# KiCad board AppleII.kicad_pcb (continued)
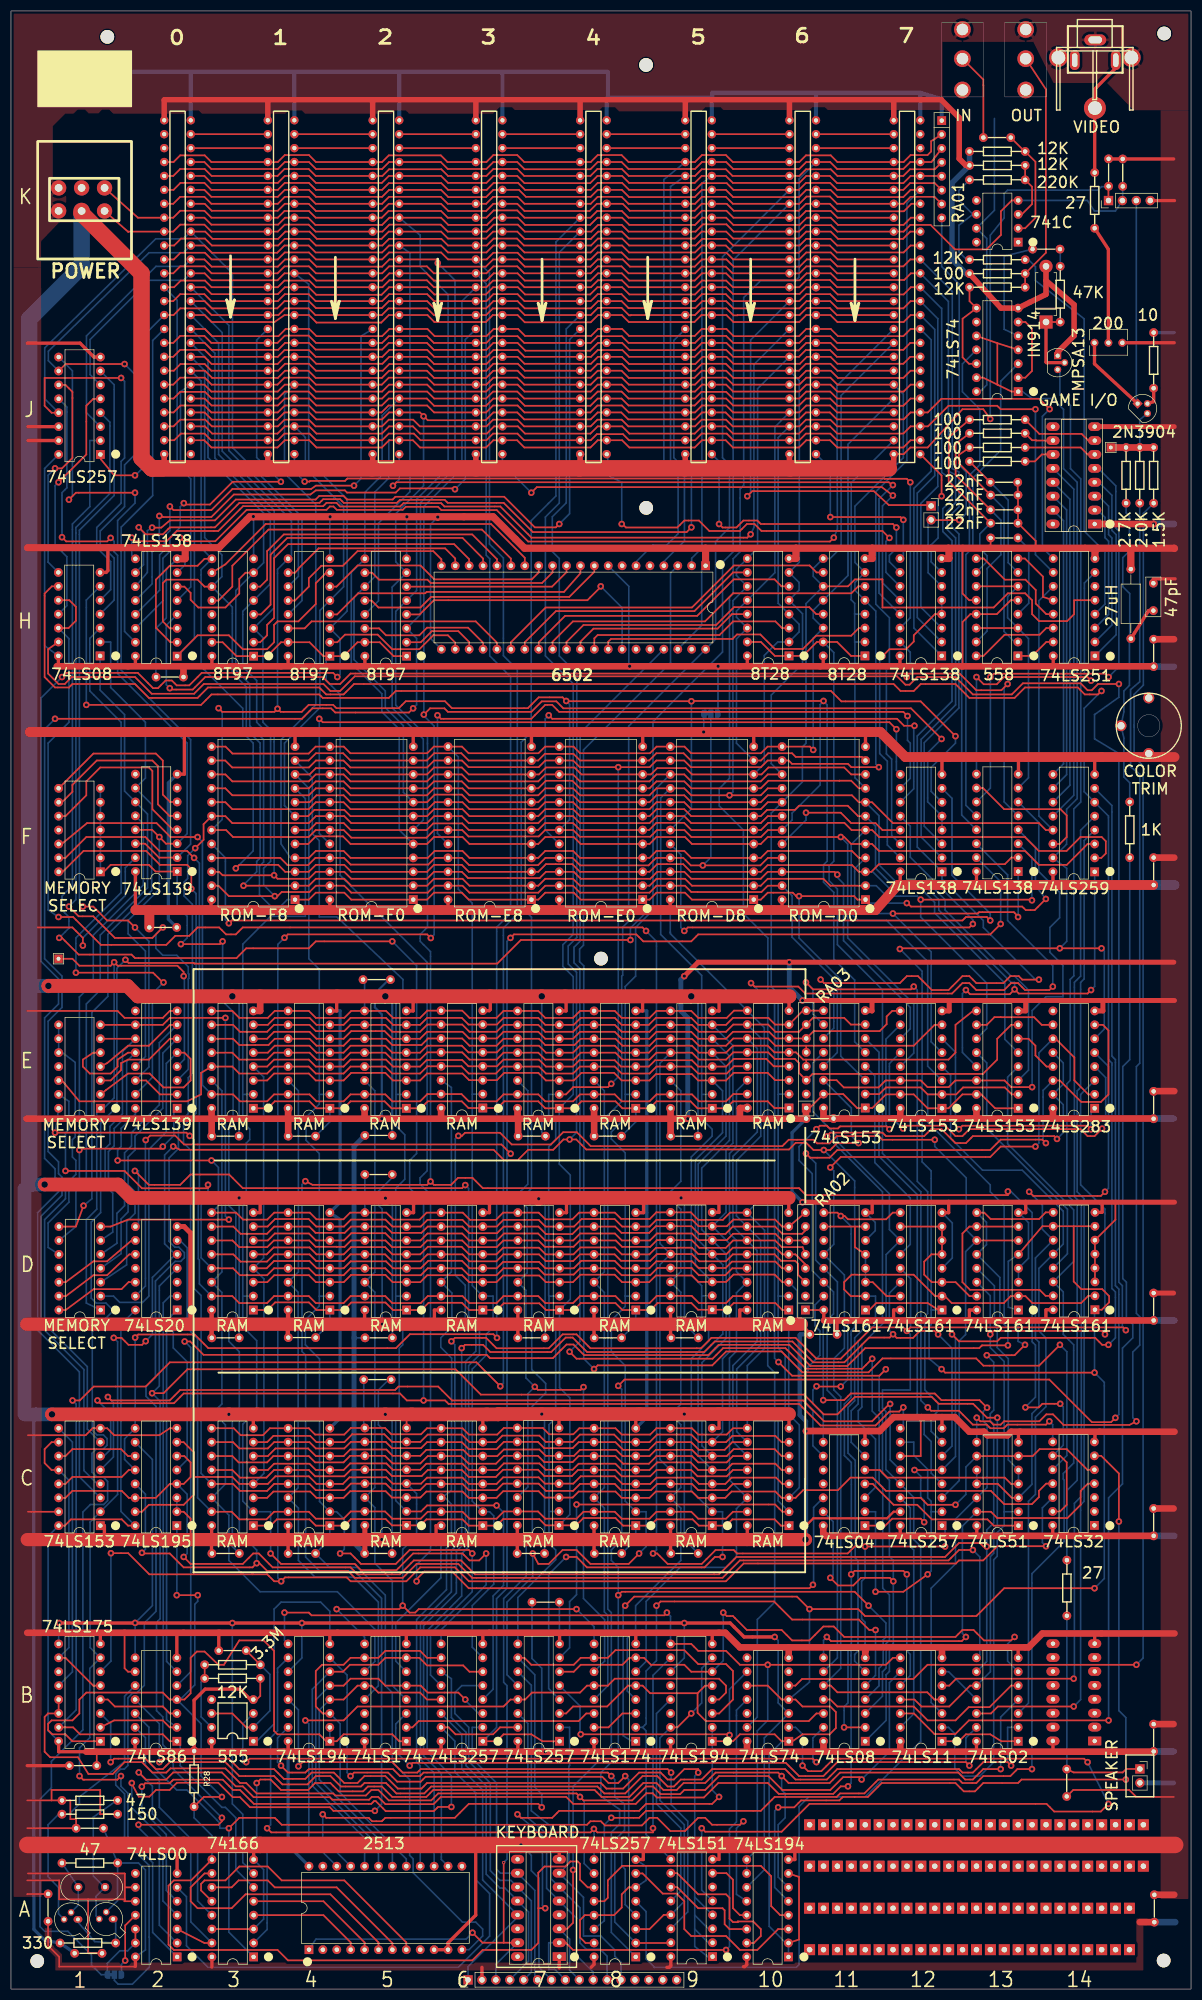
[diagram p0: board, top side]
## Routing (per net, layer and track width the routed paths; a pad name or vN(x,y) marks a point on that pad's centre or on a via; arc(x,y) is an arc through that point) (continued)
  Top w0.3: SLOT3.23 SLOT4.28
/CPU Tranceiver Driver and Data MUX/CPU_A0: length 46.2
  Top w0.3: H5.12 65.86,253.52 67.13,252.25 74.8,252.25 76.73,254.18 101.98,254.18 106.55,258.75 H7.9
/CPU Tranceiver Driver and Data MUX/CPU_A1: length 50.4
  Top w0.3: H7.10 104.01,258.5 101.02,255.09 75.92,255.09 75.67,254.84 63.42,254.84 59.56,250.98 H4.4
/CPU Tranceiver Driver and Data MUX/CPU_A2: length 31.5
  Top w0.3: H7.11 101.47,258.7 98.83,256.06 H5.6
/CPU Tranceiver Driver and Data MUX/CPU_A3: length 37.1
  Top w0.3: H7.12 98.93,258.65 97,256.72 76.68,256.72 76.07,257.33 67.23,257.33 65.96,258.6 H5.10
/CPU Tranceiver Driver and Data MUX/CPU_A4: length 42.5
  Top w0.3: H4.6 59.46,256.06 63.32,259.92 74.8,259.92 77.34,257.38 95.12,257.38 96.39,258.65 H7.13
/CPU Tranceiver Driver and Data MUX/CPU_A5: length 64.6
  Top w0.3: H3.10 39.17,260.12 46.53,267.49 87.68,267.49 93.85,261.32 H7.14
/CPU Tranceiver Driver and Data MUX/CPU_A6: length 65.7
  Top w0.3: H7.15 91.31,261.19 86.03,266.47 47.04,266.47 40.44,259.87 40.44,256.06 37.9,253.52 H3.12
/CPU Tranceiver Driver and Data MUX/CPU_A7: length 54.5
  Top w0.3: H3.6 45.52,256.06 46.79,257.33 46.79,262.53 49.83,265.58 84.25,265.58 88.77,261.06 H7.16
/CPU Tranceiver Driver and Data MUX/CPU_A8: length 55.9
  Top w0.3: H3.4 45.64,250.98 47.42,252.76 47.42,261.9 50.47,264.95 82.47,264.95 86.23,261.19 H7.17
/CPU Tranceiver Driver and Data MUX/CPU_A9: length 56.6
  Top w0.3: H3.2 45.52,245.9 46.79,247.17 46.79,249.07 48.06,250.34 48.06,261.26 50.6,263.8 80.95,263.8 83.69,261.06 H7.18
/CPU Tranceiver Driver and Data MUX/CPU_A10: length 34.5
  Top w0.3: H7.19 81.15,261.19 79.3,263.04 56.18,263.04 52.5,259.36 52.5,259.23 51.87,258.6 H4.10
/CPU Tranceiver Driver and Data MUX/CPU_A11: length 34.4
  Top w0.3: H4.12 51.87,253.52 54.41,256.06 54.41,257.58 56.69,259.87 60.63,259.87 63.3,262.53 77.14,262.53 78.61,261.06 H7.20
/CPU Tranceiver Driver and Data MUX/CPU_A12: length 27.4
  Top w0.3: H4.2 59.61,245.9 61,247.29 65.83,247.29 65.84,247.29 66.98,247.29 69.65,244.63 74.6,244.63 77.14,247.17 79.81,247.17 81.15,245.82 H7.22
/CPU Tranceiver Driver and Data MUX/CPU_A13: length 14.4
  Top w0.3: H5.2 74.85,245.9 76.89,247.93 81.71,247.93 83.69,245.95 H7.23
/CPU Tranceiver Driver and Data MUX/CPU_A14: length 25
  Top w0.3: H7.24 86.23,245.82 83.49,248.56 76,248.56 74.6,247.17 68.5,247.17 67.23,248.44 H5.14
/CPU Tranceiver Driver and Data MUX/CPU_A15: length 41.5
  Top w0.3: H4.14 53.64,248.44 54.91,249.71 84.89,249.71 88.77,245.82 H7.25
/CPU Tranceiver Driver and Data MUX/CPU_D0: length 51.5
  Top w0.3: H7.33 109.09,246 109.6,246.51 131.8,246.51 132.61,247.32 136.88,247.32 139.52,244.68 144.65,244.68 147.07,247.1 153.47,247.1 154.86,248.49 H11.3
/CPU Tranceiver Driver and Data MUX/CPU_D1: length 39.3
  Top w0.3: H7.32 106.55,246.61 107.16,247.22 129.41,247.22 131.9,249.71 139.62,249.71 140.84,248.49 H10.3
/CPU Tranceiver Driver and Data MUX/CPU_D2: length 33.9
  Top w0.3: H7.31 104.01,246 106.4,248.39 129.06,248.39 131.7,251.03 H10.13
/CPU Tranceiver Driver and Data MUX/CPU_D3: length 51.4
  Top w0.3: H11.13 147.09,251.03 145.82,252.3 132.05,252.3 128.8,249.05 104.57,249.05 101.47,245.95 H7.30
/CPU Tranceiver Driver and Data MUX/CPU_D4: length 62.6
  Top w0.3: H7.29 98.93,246 102.64,249.71 126.77,249.71 131.9,254.84 153.49,254.84 154.76,256.11 H11.6
/CPU Tranceiver Driver and Data MUX/CPU_D5: length 52.3
  Top w0.3: H10.6 140.74,256.11 139.47,257.38 132,257.38 125.35,250.72 101.22,250.72 96.39,245.9 H7.28
/CPU Tranceiver Driver and Data MUX/CPU_D6: length 47.2
  Top w0.3: H10.10 131.9,258.65 124.84,251.59 99.54,251.59 93.85,245.9 H7.27
/CPU Tranceiver Driver and Data MUX/CPU_D7: length 64.7
  Top w0.3: H7.26 91.31,245.9 97.66,252.25 124.38,252.25 132.05,259.92 145.87,259.92 147.14,258.65 H11.10
/CPU Tranceiver Driver and Data MUX/CPU_RW: length 50.7
  Top w0.3: v1(107.72,256.11) 107.72,256.01 105.28,253.57 77.24,253.57 74.65,250.98 H5.4
  Bottom w0.3: v1(107.72,256.11) 111.63,252.2 H7.34
/CPU Tranceiver Driver and Data MUX/LD0: length 68.2
  Top w0.3: B6.10 76,60.48 74.73,61.75 68.38,61.75 67.11,60.48 B5.10 62.03,60.48 60.76,59.21 56.82,59.21 55.68,58.06 55.68,51.59 56.95,50.32 B4.3
  Bottom w0.3: A5.17 72.21,23.75 60.12,35.84 60.12,48.44 B4.3
/CPU Tranceiver Driver and Data MUX/LD1: length 59.2
  Top w0.3: B4.4 60.76,52.86 63.3,55.4 B5.12 65.84,55.4 67.11,54.13 74.73,54.13 76,52.86 B6.13
  Bottom w0.3: A5.18 69.67,24.89 56.31,38.25 56.31,50.93 B4.4
/CPU Tranceiver Driver and Data MUX/LD2: length 69.9
  Top w0.3: B4.5 60.76,55.4 62.03,56.67 67.11,56.67 68.38,55.4 B5.5 74.85,55.4 76.12,54.13 81.71,54.13 v1(82.98,52.86)
  Bottom w0.3: A5.19 67.13,26.16 55.68,37.62 55.68,52.83 B4.5 ; B6.3 85.39,50.32 82.98,52.73 v1(82.98,52.86)
/CPU Tranceiver Driver and Data MUX/LD3: length 70.8
  Top w0.3: B6.6 83.74,57.94 82.59,59.09 75.99,59.09 74.6,60.48 B5.7 68.38,60.48 67.11,59.21 61.9,59.21 60.63,57.94 B4.6
  Bottom w0.3: B4.6 55.04,54.74 55.04,37.11 64.59,27.56 A5.20
/CPU Tranceiver Driver and Data MUX/LD4: length 135.4
  Top w0.3: v1(56.95,31.9) 57.58,31.27 65.33,31.27 65.96,30.63 67.74,30.63 68.38,31.27 81.08,31.27 83.62,33.81 96.32,33.81 v1(96.95,33.17) ; B9.3 129.34,50.32 131.88,52.86 131.88,58.06 130.61,59.33 129.34,59.33 129.33,59.33 125.53,59.33 122.99,61.87 114.74,61.87 114.73,61.87 114.72,61.87 110.41,61.87 109.02,60.48 B8.10 104.06,60.48 102.79,59.21 95.05,59.21 93.78,60.48 B7.10
  Bottom w0.3: v1(56.95,31.9) 56.95,27.53 A5.21 ; B7.10 95.68,57.38 95.68,36.86 96.95,35.59 v1(96.95,33.17)
/CPU Tranceiver Driver and Data MUX/LD5: length 113.8
  Top w0.3: v1(53.77,49.05) 60.76,49.05 63.3,51.59 89.97,51.59 91.24,52.86 B7.13 93.9,52.86 95.17,54.13 103.94,54.13 105.21,55.4 B8.12 109.02,55.4 110.29,56.67 129.34,56.67 130.61,55.4 130.61,54.13 129.34,52.86 B9.4
  Bottom w0.3: v1(53.77,49.05) 54.41,48.41 54.41,27.53 A5.22
/CPU Tranceiver Driver and Data MUX/LD6: length 58.9
  Top w0.3: 125.41,54.01 116.76,54.01 115.37,55.4 B8.5 112.7,55.4 108.89,51.59 102.67,51.59 101.4,50.32 B7.3 ; 125.41,54.01 126.8,55.4 B9.5 ; 125.41,54.01 125.41,50.44 126.92,48.93 145.73,48.93 147.12,50.32 B11.12
/CPU Tranceiver Driver and Data MUX/LD7: length 108
  Top w0.3: v1(130.1,68.73) 130.73,68.1 131.88,68.1 134.42,65.56 140.77,65.56 142.67,63.65 145.85,63.65 148.39,66.19 150.29,66.19 152.2,64.29 172.52,64.29 173.79,65.56 175.82,65.56 177.72,63.65 182.68,63.65 v1(183.31,64.29) ; B7.6 102.79,57.94 104.06,59.21 111.68,59.21 112.95,60.48 B8.7 115.62,60.48 116.89,59.21 122.99,59.21 124.26,57.94 B9.6
  Bottom w0.3: B13.6 182.04,59.87 182.04,63.02 v1(183.31,64.29) ; B9.6 130.1,59.94 v1(130.1,68.73)
/RAM and Data Latch/A8-6: length 35.3
  Top w0.3: B5.2 73.33,47.78 74.48,48.93 103.69,48.93 105.08,50.32 B8.14
/RAM and Data Latch/RDO0: length 133.5
  Bottom w0.3: B5.11 66.47,59.82 66.47,65.68 59.61,72.54 45.52,72.54 39.8,78.26 39.8,86.54 C3.14 39.17,92.2 39.17,103.02 37.9,104.29 37.9,106.2 38.53,106.83 38.53,127.18 D3.14 38.53,130.94 38.53,164.01 E3.14
/RAM and Data Latch/RDO1: length 128.1
  Bottom w0.3: E4.14 52.5,164.01 52.5,130.94 D4.14 52.45,127.23 52.45,91.52 C4.14 52.5,87.81 52.5,78.26 55.55,75.21 62.53,75.21 67.11,70.64 67.11,55.37 B5.13
/RAM and Data Latch/RDO2: length 119.2
  Bottom w0.3: B5.4 69.65,55.42 69.65,74.57 66.47,77.75 66.47,87.91 C5.14 66.47,91.57 66.47,127.23 D5.14 66.47,130.89 66.47,164.01 E5.14
/RAM and Data Latch/RDO3: length 119.5
  Bottom w0.3: B5.6 70.28,59.87 70.28,66.83 78.54,75.08 78.54,81.43 80.44,83.34 80.44,88.54 79.3,89.69 C6.14 80.44,90.96 80.49,115.19 78.51,117.17 78.51,118.9 80.54,120.93 80.54,127.08 D6.14 80.44,130.94 80.44,164.62 E6.14
/RAM and Data Latch/RDO4: length 144.9
  Top w0.3: v1(104.57,109.91) 104.06,109.4 96.24,109.4 v1(95.68,109.96)
  Bottom w0.3: E7.14 94.41,164.01 94.41,146.96 93.14,145.69 93.14,143.79 94.28,142.65 94.28,130.76 D7.14 94.06,127.58 94.06,111.58 v1(95.68,109.96) 94.41,108.69 94.41,91.67 C7.14 ; B8.11 108.43,59.87 108.43,67.44 104.57,71.3 v1(104.57,109.91)
/RAM and Data Latch/RDO5: length 118.2
  Bottom w0.3: B8.13 109.02,55.37 109.02,68.22 108.38,68.86 108.38,87.81 C8.14 108.38,91.57 108.38,127.18 D8.14 108.38,130.94 108.38,164.01 E8.14
/RAM and Data Latch/RDO6: length 124.2
  Bottom w0.3: E9.14 122.35,164.01 122.35,147.47 120.57,145.69 120.57,144.17 122.35,142.39 122.35,130.99 D9.14 122.35,127.23 122.35,106.76 121.03,105.44 121.03,104.37 122.35,103.05 122.35,91.57 C9.14 122.35,87.81 122.35,78.26 114.1,70 114.1,65.56 112.57,64.03 112.57,54.41 B8.4
/RAM and Data Latch/RDO7: length 126.7
  Bottom w0.3: B8.6 116,59.82 116,70.76 122.22,76.99 130.61,76.99 132.51,78.89 132.51,87.71 C10.14 131.24,92.94 131.24,115.19 132.51,116.46 132.51,127.13 D10.14 132.51,130.99 132.51,136.68 131.24,137.95 131.24,152.55 132.51,153.82 132.51,163.96 E10.14
/ROM/Vpp: length 138
  Top w0.3: ROM-D0.21 138.25,206.53 136.88,205.16 v1(126.36,205.16) 124.18,205.16 122.81,206.53 ROM-D8.21 117.83,206.53 116.46,205.16 103.96,205.16 102.59,206.53 ROM-E0.21 97.61,206.53 96.29,205.21 83.69,205.21 82.37,206.53 ROM-E8.21 77.44,206.53 76.23,205.31 62.05,205.31 60.83,206.53 ROM-F0.21 55.6,206.53 54.28,205.21 50.52,205.21 49.2,206.53 ROM-F8.21
  Bottom w0.3: v1(126.36,205.16) 127.84,206.63 JP2.2
/Video Generation/A3-1: length 170.8
  Top w0.3: v1(39.8,29.36) 41.71,31.27 48.18,31.27 49.45,30 105.21,30 105.84,30.63 107.75,30.63 108.51,29.87 115.24,29.87 116.64,31.27 118.03,31.27 120.45,28.85 123.11,28.85 125.53,31.27 126.8,31.27 128.07,30 133.15,30 v1(133.78,30.63)
  Bottom w0.3: v1(133.78,30.63) 132.51,29.36 132.51,17.3 A10.12 ; B2.12 25.2,47.8 25.2,41.43 30.28,36.35 32.13,36.35 37.58,30.9 37.58,30.87 38.14,30.32 38.15,30.32 38.15,29.36 v1(39.8,29.36) 39.8,10.39 A3.1
/Video Generation/A3-2: length 213
  Top w0.3: v1(180.77,40.16) 177.6,40.16 175.69,38.25 174.29,38.25 173.02,39.52 151.43,39.52 149.53,37.62 142.04,37.62 v1(140.77,38.89) 140.13,39.52 128.7,39.52 126.8,37.62 122.86,37.62 121.59,36.35 119.18,36.35 117.91,37.62 115.49,37.62 112.95,35.08 107.87,35.08 106.6,36.35 77.14,36.35 75.87,35.08 69.65,35.08 67.74,36.98 65.2,36.98 64.31,36.09 59.87,36.09 58.34,37.62 55.55,37.62 54.28,36.35 49.33,36.35 47.42,38.25 45.52,38.25 v1(44.88,37.62)
  Bottom w0.3: A3.2 46.79,10.87 46.79,24.92 44.88,26.82 v1(44.88,37.62) ; v1(180.77,40.16) 180.77,49.66 B13.4 ; v1(140.77,38.89) 140.77,36.35 141.4,35.71 141.4,31.27 140.13,30 140.13,20.45 A10.6
/Video Generation/A8-3-A9-B9: length 62
  Top w0.3: v1(124.26,50.32) 121.72,47.78 B9.15 ; A9.13 119.23,13.54 116.64,10.95 A8.3
  Bottom w0.3: B9.15 118.54,45.85 118.54,34.44 122.99,30 122.99,16 A9.13 ; v1(124.26,50.32) 126.16,52.22 126.16,58.57 126.19,58.57 B9.7
/Video Generation/B9-13: length 40.4
  Bottom w0.3: A9.12 122.35,17.91 122.35,29.36 117.91,33.81 117.91,50.29 B9.13
/Video Generation/C14-6: length 147.5
  Top w0.3: v1(203.63,38.25) 184.58,38.25 183.95,37.62 177.6,37.62 176.07,36.09 174.04,36.09 172.52,37.62 159.05,37.62 156.51,35.08 151.94,35.08 151.31,34.44 144.32,34.44 143.05,33.17 v1(140.13,33.17) ; C14.6 199.14,97.36 202.36,94.13 v1(202.36,85.37)
  Bottom w0.3: v1(203.63,38.25) 203.63,49.56 202.36,50.83 v1(202.36,85.37) ; v1(140.13,33.17) 139.5,32.54 139.5,18.54 A10.5
/Video Generation/Color_Burst: length 14.5
  Top w1.2: R7.1 R6.2 201.14,281.46
  Bottom w0.3: Q3.3 206.17,286.54 R8.1
/Video Generation/SYNC: length 206.4
  Top w0.3: v1(205.56,103.66) 204.29,103 192.25,103 190.32,104.93 189.1,104.93 187.83,103.66 181.38,103.66 180.77,103.05 179.45,103.05 178.84,103.66 177.06,103.66 v1(176.4,104.32)
  Bottom w0.3: v1(176.4,104.32) C13.8 ; R8.2 206.17,238.68 204.5,237.26 204.5,223.14 206.17,221.82 206.17,169.04 205.56,168.43 205.56,123.37 206.17,122.76 206.17,117.58 204.9,116.31 204.9,104.32 v1(205.56,103.66)
/Video Generation/Text_Video: length 169.3
  Top w0.3: v1(27.1,41.43) 27.74,42.06 39.8,42.06 41.71,40.16 48.06,40.16 49.83,38.38 53.77,38.38 54.91,39.52 58.98,39.52 60.88,37.62 63.3,37.62 64.57,38.89 68.38,38.89 70.66,36.6 74.98,36.6 76,37.62 107.75,37.62 108.76,36.6 111.81,36.6 114.73,39.52 118.67,39.52 119.94,38.25 121.08,38.25 122.99,40.16 125.53,40.16 v1(125.53,39.52)
  Bottom w0.3: A9.2 127.38,8.46 124.89,10.95 ; A9.1 127.25,5.92 124.89,7.77 124.89,10.95 ; 124.89,13.49 127.38,11 A9.3 ; 124.89,13.49 124.89,10.95 ; 124.89,13.49 124.89,16.79 ; 124.89,16.79 124.89,38.89 v1(125.53,39.52) ; 124.89,16.79 A9.4 ; v1(27.1,41.43) 27.1,48.44 B2.11
/Video Generation/VIDEO_DATA: length 279.8
  Top w0.3: B10.5 143.28,55.4 144.5,56.62 164.82,56.62 167.41,59.21 v1(205.56,59.21)
  Bottom w0.3: R7.2 206.83,269.42 206.83,238.07 205.13,236.37 205.13,230.77 205.14,230.4 205.14,224.98 206.78,223.34 206.78,60.43 v1(205.56,59.21)
A0: length 476.2
  Top w0.3: SLOT7.2 164.31,282.78 162.99,281.46 150.93,281.46 149.61,282.78 SLOT6.2 145.26,282.78 143.94,281.46 131.88,281.46 130.56,282.78 SLOT5.2 126.21,282.78 124.89,281.46 112.95,281.46 111.63,282.78 SLOT4.2 107.16,282.78 105.84,281.46 93.78,281.46 92.46,282.78 SLOT3.2 88.11,282.78 86.79,281.46 74.73,281.46 73.41,282.78 69.06,282.78 67.74,281.46 55.8,281.46 54.48,282.78 SLOT1.2 50.01,282.78 48.69,281.46 36.63,281.46 35.31,282.78 SLOT0.2 ; ROM-F8.8 54.53,216.69 55.8,217.96 60.76,217.96 62.03,216.69 ROM-F0.8 76,216.69 77.39,218.08 82.35,218.08 83.74,216.69 ROM-E8.8 96.32,216.69 97.59,217.96 102.67,217.96 103.94,216.69 ROM-E0.8 116.64,216.69 117.91,217.96 122.99,217.96 124.26,216.69 ROM-D8.8 136.96,216.69 138.23,217.96 153.59,217.96 154.86,216.69 ROM-D0.8 157.28,216.69 161.09,212.88 187.76,212.88 189.03,211.61 F14.13
  Bottom w0.3: H14.11 187.76,253.49 187.76,214.17 F14.13 ; E13.3 185.85,167.77 185.85,182.4 183.31,184.94 182.68,184.94 170.61,197 170.61,198.91 167.31,202.21 161.59,202.21 158.55,205.26 158.55,214.22 ROM-D0.8 ; ROM-F0.8 71.68,218.49 71.68,230.66 68.38,233.96 68.38,237.01 62.66,242.72 62.66,254.08 H5.11 66.47,257.89 66.47,273.33 69.01,275.87 69.01,282.73 69.14,282.85 69.22,282.78 70.92,282.78
A1: length 492.9
  Top w0.3: SLOT0.3 35.43,285.32 36.75,284 48.69,284 50.01,285.32 SLOT1.3 54.48,285.32 55.8,284 67.74,284 69.06,285.32 73.41,285.32 74.73,284 86.92,284 88.24,285.32 SLOT3.3 92.58,285.32 93.9,284 105.84,284 107.16,285.32 SLOT4.3 111.63,285.32 112.95,284 124.89,284 126.21,285.32 SLOT5.3 130.56,285.32 131.88,284 143.94,284 145.26,285.32 SLOT6.3 149.61,285.32 150.93,284 162.99,284 164.31,285.32 SLOT7.3 167.49,285.32 171.25,289.08 180.14,289.08 180.77,288.44 v1(187.12,288.44) ; ROM-D0.7 154.74,214.15 152.83,216.05 143.94,216.05 143.19,215.3 138.11,215.3 136.96,214.15 ROM-D8.7 124.26,214.15 122.99,215.42 117.91,215.42 116.64,214.15 ROM-E0.7 103.94,214.15 102.67,215.42 97.59,215.42 96.32,214.15 ROM-E8.7 83.74,214.15 82.47,215.42 77.27,215.42 76,214.15 ROM-F0.7 62.03,214.15 60.88,215.3 55.43,215.3 54.28,214.15 ROM-F8.7 ; v1(174.42,182.4) 175.18,181.64 182.42,181.64 v1(183.31,182.52) 184.07,181.76 196.65,181.76 v1(197.28,182.4)
  Bottom w0.3: v1(183.31,182.52) 183.31,183.79 182.68,183.79 169.47,197 169.47,198.91 166.93,201.45 161.09,201.45 157.91,204.62 157.91,212.32 ROM-D0.7 ; v1(197.28,182.4) 197.94,183.06 F14.1 ; ROM-F8.7 49.96,216.08 49.96,227.48 56.44,233.96 56.44,251.71 H4.5 60.76,256.03 60.76,270.66 53.77,277.65 53.77,283.31 SLOT1.3 ; v1(187.12,288.44) 187.12,261.9 H14.10 ; v1(174.42,182.4) 173.79,181.76 173.79,170.99 E13.13
A2: length 495.2
  Top w0.3: v1(189.71,288.47) 187.83,290.35 169.95,290.35 167.46,287.86 SLOT7.4 164.31,287.86 163.04,286.59 150.85,286.59 149.58,287.86 SLOT6.4 145.21,287.86 143.94,286.59 131.8,286.59 130.53,287.86 SLOT5.4 126.21,287.86 124.94,286.59 112.75,286.59 111.48,287.86 SLOT4.4 107.16,287.86 105.89,286.59 93.75,286.59 92.48,287.86 SLOT3.4 88.11,287.86 86.68,286.43 76.13,286.43 75.41,287.15 v1(75.36,287.15) 75.36,287.2 74.7,287.86 69.06,287.86 67.79,286.59 55.75,286.59 54.48,287.86 SLOT1.4 49.96,287.86 48.64,286.54 36.7,286.54 35.38,287.86 SLOT0.4 ; F14.2 199.16,206.53 199.97,207.34 199.97,209.58 199.21,210.34 195.35,210.34 192.81,207.8 187.73,207.8 185.19,210.34 158.57,210.34 157.3,211.61 ROM-D0.6 153.54,211.61 152.22,212.93 138.3,212.93 136.98,211.61 ROM-D8.6 124.28,211.61 122.96,212.93 117.88,212.93 116.56,211.61 ROM-E0.6 103.96,211.61 102.69,212.88 97.56,212.88 96.29,211.61 ROM-E8.6 83.64,211.61 82.42,212.83 77.14,212.83 75.92,211.61 ROM-F0.6 62.05,211.61 60.78,212.88 55.75,212.88 54.48,211.61 ROM-F8.6
  Bottom w0.3: v1(189.71,288.47) 188.39,287.15 188.39,263.17 H14.9 ; E12.3 167.44,168.5 167.44,187.6 159.94,195.1 154.74,195.1 153.47,196.37 153.47,208.99 ROM-D0.6 ; ROM-F0.6 75.31,213.44 75.31,228.22 69.62,233.91 69.62,255.96 H5.7 70.28,260.58 70.28,269.37 75.36,274.45 v1(75.36,287.15)
A3: length 433.4
  Top w0.3: ROM-F8.5 54.28,209.07 55.68,210.46 58.09,210.46 58.1,210.46 60.64,210.46 62.03,209.07 ROM-F0.5 76,209.07 77.27,210.34 82.47,210.34 83.74,209.07 ROM-E8.5 96.32,209.07 97.59,210.34 102.79,210.34 104.06,209.07 ROM-E0.5 116.64,209.07 117.91,210.34 123.11,210.34 124.38,209.07 ROM-D8.5 136.96,209.07 138.23,210.34 v1(151.56,210.34) 152.2,210.34 153.47,209.07 ROM-D0.5 157.28,209.07 158.55,207.8 185.22,207.8 187.76,205.26 192.84,205.26 196.65,209.07 F14.3 ; SLOT0.5 35.38,290.4 36.65,289.13 48.74,289.13 50.01,290.4 SLOT1.5 54.48,290.4 55.75,289.13 67.74,289.13 69.01,290.4 75.97,290.4 77.29,289.08 86.79,289.08 88.11,290.4 SLOT3.5 92.53,290.4 93.85,289.08 105.84,289.08 107.16,290.4 SLOT4.5 111.53,290.4 112.8,289.13 124.89,289.13 126.16,290.4 SLOT5.5 130.63,290.4 131.9,289.13 143.94,289.13 145.21,290.4 SLOT6.5 149.63,290.4 150.95,289.08 162.99,289.08 164.31,290.4 SLOT7.5
  Bottom w0.3: E12.13 164.9,170.89 164.9,179.86 152.83,191.92 152.83,209.07 v1(151.56,210.34) ; 70.92,290.4 67.79,287.27 67.79,276.43 64.64,273.28 H5.9 62.16,258.66 62.16,242.08 67.74,236.5 67.74,233.2 70.92,230.02 70.92,211.63 ROM-F0.5
A4: length 515
  Top w0.3: SLOT7.6 164.31,292.94 163.04,291.67 150.95,291.67 149.68,292.94 SLOT6.6 145.26,292.94 143.99,291.67 131.9,291.67 130.63,292.94 SLOT5.6 126.21,292.94 124.94,291.67 112.8,291.67 111.53,292.94 SLOT4.6 107.16,292.94 105.89,291.67 93.8,291.67 92.53,292.94 SLOT3.6 88.06,292.94 86.79,291.67 77.29,291.67 76.02,292.94 69.06,292.94 67.79,291.67 55.7,291.67 54.43,292.94 SLOT1.6 50.01,292.94 48.74,291.67 36.6,291.67 35.33,292.94 SLOT0.6 ; v1(183.95,195.73) 183.95,195.86 183.18,196.62 176.83,196.62 176.58,196.37 v1(161.09,196.37) ; H4.7 57.58,258.6 55.68,256.69 55.68,252.88 52.5,249.71 48.69,249.71 48.06,249.07 48.06,245.9 46.79,244.63 42.34,244.63 39.8,247.17 34.09,247.17 30.35,243.43 H2.1 ; ROM-D0.4 154.86,206.53 153.59,207.8 138.23,207.8 136.96,206.53 ROM-D8.4 124.26,206.53 122.99,207.8 117.91,207.8 116.64,206.53 ROM-E0.4 103.94,206.53 102.67,207.8 97.59,207.8 96.32,206.53 ROM-E8.4 83.74,206.53 82.47,207.8 77.39,207.8 76.12,206.53 ROM-F0.4 62.03,206.53 60.76,207.8 55.68,207.8 54.41,206.53 ROM-F8.4
  Bottom w0.3: SLOT1.6 49.96,291.13 49.96,276.76 55.68,271.04 55.68,234.47 49.33,228.12 49.33,209.09 50.98,206.65 51.1,206.53 ROM-F8.4 ; F13.1 183.97,195.76 v1(183.95,195.73) ; E12.5 168.07,172.95 168.07,189.38 v1(161.09,196.37) 155.37,196.37 154.1,197.64 154.1,204.55 ROM-D0.4 ; H2.1 33.5,246.51 33.5,276.33 30.96,278.87 30.96,291.67 SLOT0.6
A5: length 463.9
  Top w0.3: SLOT7.7 164.31,295.48 162.99,294.16 151.05,294.16 149.73,295.48 SLOT6.7 145.26,295.48 143.94,294.16 131.95,294.16 130.63,295.48 SLOT5.7 126.16,295.48 124.84,294.16 112.85,294.16 111.53,295.48 SLOT4.7 107.16,295.48 105.89,294.21 93.8,294.21 92.53,295.48 SLOT3.7 88.11,295.48 86.79,294.16 77.29,294.16 75.97,295.48 69.06,295.48 67.74,294.16 55.65,294.16 54.33,295.48 SLOT1.7 50.06,295.48 48.74,294.16 36.75,294.16 35.43,295.48 SLOT0.7 ; F13.2 182.73,206.58 181.53,205.38 158.54,205.38 157.15,203.99 ROM-D0.3 154.86,203.99 153.64,205.21 138.2,205.21 136.98,203.99 ROM-D8.3 124.18,203.99 122.79,205.38 119.82,205.38 119.81,205.38 118.03,205.38 116.64,203.99 ROM-E0.3 103.94,203.99 102.55,205.38 99.5,205.38 99.49,205.38 97.71,205.38 96.32,203.99 ROM-E8.3 83.62,203.99 82.35,205.26 77.27,205.26 76,203.99 ROM-F0.3 62.15,203.99 60.88,205.26 55.68,205.26 54.41,203.99 ROM-F8.3 50.09,203.99 48.82,205.26 41.71,205.26 v1(41.07,204.62) ; H3.9 35.36,261.14 34.09,259.87 29.01,259.87 26.47,257.33 26.47,248.56 29.13,245.9 H2.2
  Bottom w0.3: E13.5 181.53,173.41 181.53,183.67 168.71,196.49 168.71,198.4 166.29,200.81 160.58,200.81 157.4,203.99 ROM-D0.3 ; v1(41.07,204.62) 44.25,207.8 44.25,227.48 42.34,229.39 42.34,233.83 34.72,241.45 34.72,259.16 H3.9 34.72,263.12 34.72,293.6 SLOT0.7
A6: length 458.2
  Top w0.3: H2.3 29.01,248.44 27.74,249.71 27.74,256.69 28.37,257.33 34.09,257.33 35.36,256.06 H3.11 ; v1(186.49,198.78) 186.36,198.91 v1(166.17,198.91) ; SLOT7.8 164.26,298.02 162.99,296.75 150.95,296.75 149.68,298.02 SLOT6.8 145.36,298.02 144.09,296.75 131.95,296.75 130.68,298.02 SLOT5.8 126.31,298.02 124.99,296.7 112.9,296.7 111.58,298.02 SLOT4.8 107.21,298.02 105.94,296.75 93.8,296.75 92.53,298.02 SLOT3.8 88.16,298.02 86.84,296.7 77.29,296.7 75.97,298.02 69.11,298.02 67.84,296.75 55.75,296.75 54.48,298.02 SLOT1.8 50.01,298.02 48.69,296.7 36.65,296.7 35.33,298.02 SLOT0.8 ; ROM-D0.2 149.66,201.45 148.39,202.72 138.23,202.72 136.96,201.45 ROM-D8.2 124.38,201.45 123.11,202.72 117.91,202.72 116.64,201.45 ROM-E0.2 103.94,201.45 102.67,202.72 97.59,202.72 96.32,201.45 ROM-E8.2 83.74,201.45 82.47,202.72 77.27,202.72 76,201.45 ROM-F0.2 62.15,201.45 60.88,202.72 55.68,202.72 54.41,201.45 ROM-F8.2 v1(42.47,201.45)
  Bottom w0.3: SLOT0.8 35.38,295.48 35.38,265 38.53,261.85 38.53,257.89 H3.11 40.44,252.32 40.44,240.31 42.98,237.77 42.98,230.02 45.52,227.48 45.52,206.53 44.88,205.89 44.88,203.99 42.47,201.57 v1(42.47,201.45) ; F13.3 186.49,206.6 v1(186.49,198.78) ; ROM-D0.2 158.04,201.45 159.94,199.54 165.53,199.54 v1(166.17,198.91) 166.17,195.73 178.23,183.67 178.23,175.39 E13.11
A7: length 477.3
  Top w0.3: SLOT7.9 164.26,300.56 162.99,299.29 150.95,299.29 149.68,300.56 SLOT6.9 145.26,300.56 143.89,299.19 132.05,299.19 130.68,300.56 SLOT5.9 126.21,300.56 124.89,299.24 112.95,299.24 111.63,300.56 SLOT4.9 107.21,300.56 105.79,299.14 93.95,299.14 92.53,300.56 SLOT3.9 88.11,300.56 86.84,299.29 77.24,299.29 75.97,300.56 69.01,300.56 67.79,299.34 55.65,299.34 54.43,300.56 SLOT1.9 50.06,300.56 48.79,299.29 36.65,299.29 35.38,300.56 SLOT0.9 ; ROM-F8.1 54.41,198.91 55.68,200.18 60.88,200.18 62.15,198.91 ROM-F0.1 76,198.91 77.27,200.18 82.35,200.18 83.62,198.91 ROM-E8.1 96.32,198.91 97.59,200.18 102.79,200.18 104.06,198.91 ROM-E0.1 116.64,198.91 117.91,200.18 123.11,200.18 124.38,198.91 ROM-D8.1 136.96,198.91 138.23,200.18 142.8,200.18 143.43,199.54 v1(143.94,199.54) 153.97,199.54 154.61,198.91 ROM-D0.1 ; v1(189.03,199.03) 186.99,197 185.34,197 184.71,197.64 164.39,197.64 163.75,198.27 v1(163.63,198.27) ; H3.7 42.85,258.6 41.71,257.45 41.71,254.79 39.17,252.25 34.21,252.25 32.82,253.64 32.82,254.91 31.67,256.06 H2.6
  Bottom w0.3: F13.4 187.12,208.51 187.12,201.45 v1(189.03,199.03) ; E11.3 152.53,169.44 152.45,169.44 151.56,170.33 151.56,184.3 143.94,191.92 v1(143.94,199.54) ; ROM-D0.1 156.13,198.91 156.77,198.27 v1(163.63,198.27) ; ROM-F8.1 50.47,198.91 49.2,197.64 47.55,197.64 45.39,199.8 45.39,205 46.15,205.77 46.15,228.12 43.61,230.66 43.61,238.28 41.07,240.82 41.07,255.35 H3.7 46.15,260.43 46.15,269.47 35.99,279.63 35.99,297.41 SLOT0.9
A8: length 467.9
  Top w0.3: ROM-D0.23 138.23,201.45 137.08,200.3 125.41,200.3 125.4,200.3 124.26,200.3 123.11,201.45 ROM-D8.23 117.91,201.45 116.64,200.18 103.94,200.18 102.67,201.45 ROM-E0.23 97.59,201.45 96.32,200.18 83.74,200.18 82.47,201.45 ROM-E8.23 77.39,201.45 76.12,200.18 62.15,200.18 60.88,201.45 ROM-F0.23 55.68,201.45 54.53,200.3 49.45,200.3 48.69,199.54 v1(48.18,199.54) 39.8,199.54 37.9,201.45 ROM-F8.23 ; SLOT0.10 35.43,303.1 36.75,301.78 48.84,301.78 50.16,303.1 SLOT1.10 54.48,303.1 55.8,301.78 67.79,301.78 69.11,303.1 76.07,303.1 77.39,301.78 86.84,301.78 88.16,303.1 SLOT3.10 92.63,303.1 93.9,301.83 105.94,301.83 107.21,303.1 SLOT4.10 111.63,303.1 112.9,301.83 124.89,301.83 126.16,303.1 SLOT5.10 130.68,303.1 132,301.78 143.94,301.78 145.26,303.1 SLOT6.10 149.73,303.1 151.05,301.78 162.99,301.78 164.31,303.1 SLOT7.10
  Bottom w0.3: SLOT0.10 37.26,298.68 37.26,279.53 47.37,269.42 47.37,256.57 H3.5 42.34,251.54 42.34,241.45 44.88,238.91 44.88,231.29 47.42,228.75 47.42,205.89 46.15,204.62 46.15,201.57 v1(48.18,199.54) ; SLOT7.10 168.07,301.12 168.07,277.14 164.92,273.99 164.92,248.49 H12.1 ; ROM-D0.23 142.67,199.62 142.67,192.05 150.93,183.79 150.93,170.99 E11.13
A9: length 472.2
  Top w0.3: v1(150.93,203.48) 150.42,203.99 ROM-D0.22 138.23,203.99 136.96,202.72 124.26,202.72 122.99,203.99 ROM-D8.22 118.03,203.99 116.76,202.72 104.06,202.72 102.79,203.99 ROM-E0.22 97.71,203.99 96.56,202.84 90.74,202.84 90.73,202.84 83.49,202.84 82.35,203.99 ROM-E8.22 77.27,203.99 76,202.72 62.15,202.72 60.88,203.99 ROM-F0.22 55.68,203.99 54.41,202.72 48.69,202.72 v1(48.06,203.35) 38.66,203.35 38.02,203.99 ROM-F8.22 ; SLOT0.11 35.38,305.64 36.65,304.37 48.13,304.37 49.96,305.64 SLOT1.11 54.43,305.64 55.8,304.27 67.64,304.27 69.01,305.64 76.07,305.64 77.34,304.37 86.74,304.37 88.01,305.64 SLOT3.11 92.53,305.64 93.85,304.32 105.89,304.32 107.21,305.64 SLOT4.11 111.58,305.64 112.85,304.37 124.84,304.37 126.11,305.64 SLOT5.11 130.68,305.64 131.95,304.37 143.99,304.37 145.26,305.64 SLOT6.11 149.68,305.64 150.95,304.37 163.04,304.37 164.31,305.64 SLOT7.11
  Bottom w0.3: H12.2 165.53,250.42 165.53,273.13 168.73,276.33 168.73,303 SLOT7.11 ; E12.11 164.26,175.34 164.26,179.22 152.07,191.41 152.07,201.83 150.93,202.97 v1(150.93,203.48) ; SLOT0.11 37.92,300.56 37.92,280.19 48.08,270.03 48.08,252.2 H3.3 46.02,246.74 46.02,231.29 48.06,229.26 v1(48.06,203.35)
